# Altium PCB flexi_ethernet_w5500_solo.pcbdoc (part 6 of 7)
Units mm, origin at the board's own origin, x right, y up, seen from the top; angles counter-clockwise.
Board outline 85 x 20.49 mm, 4 copper layers (Top Layer, GND, PWR, Bottom Layer), stack 1.541 mm thick; 61 components, 41 nets, 7605 pads, 85 vias.
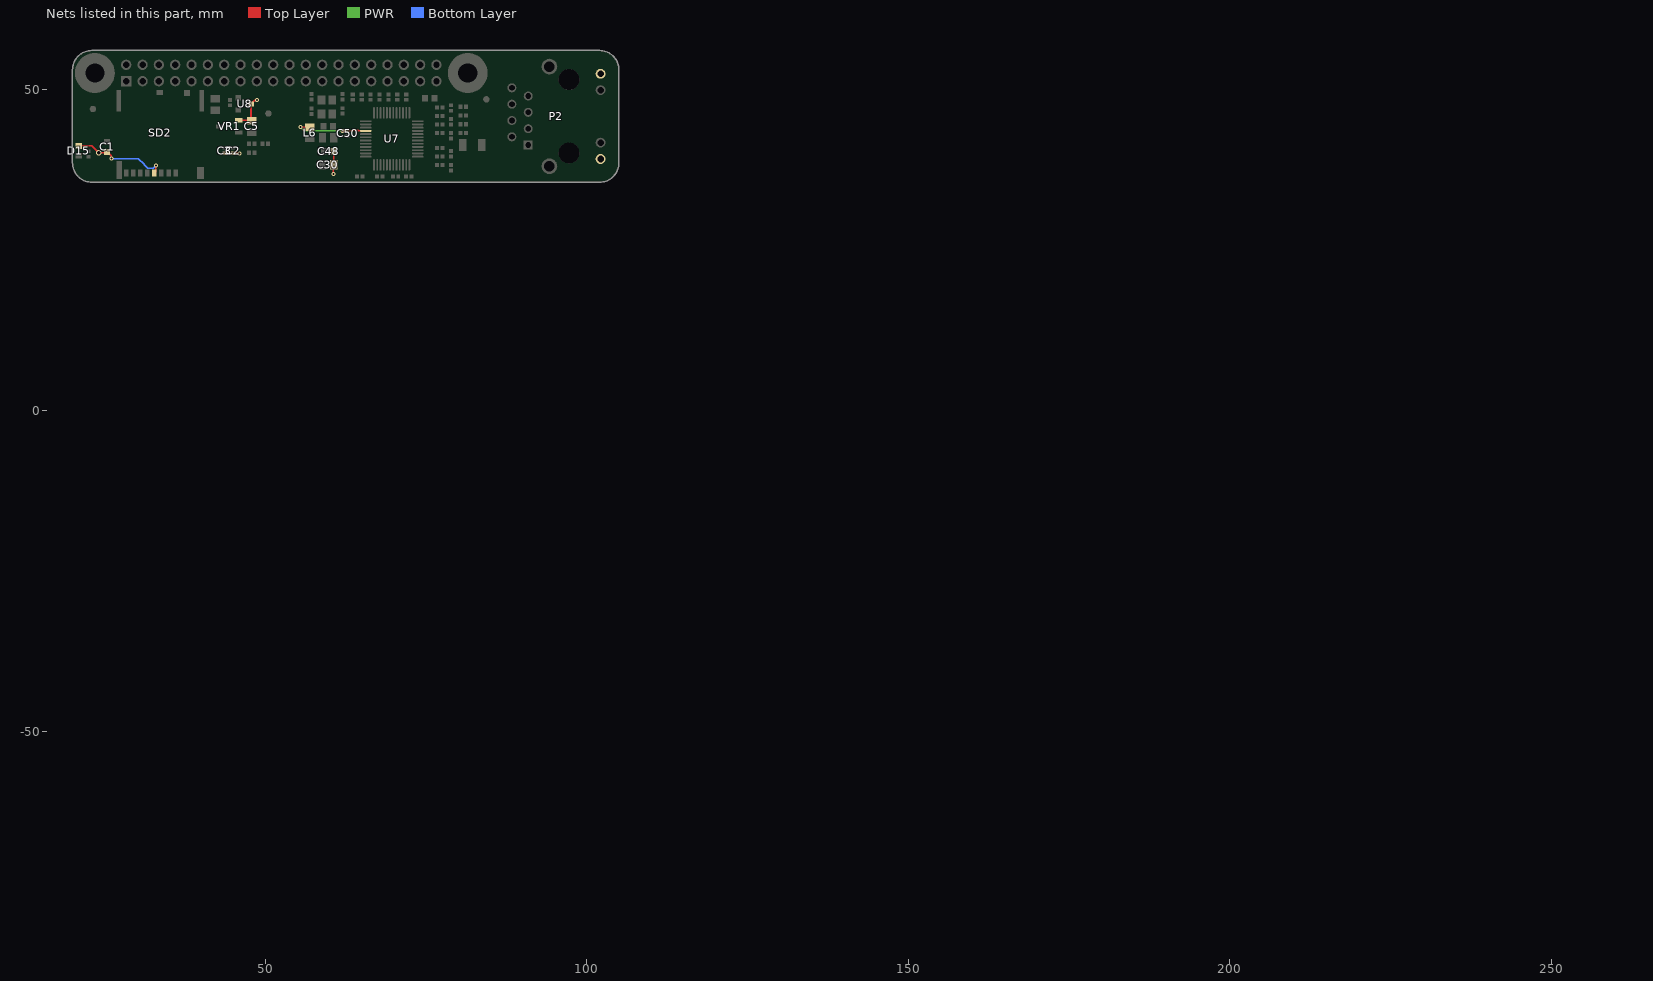
[diagram p8: the nets of this part, all layers, seen from the top]

## Free pads (board coordinates)
  round 6.2 hole 3 unplated: 0(23.511,52.5) 0(81.511,52.5)
  round 0.042 on Mech7: 1(237.911,-77.803) 1(237.911,-77.803) 1(237.922,-77.632) 1(237.922,-77.632) 1(237.934,-77.814) 1(237.934,-77.814) 1(237.945,-77.587) 1(237.945,-77.587) 1(237.968,-77.45) 1(237.968,-77.45) 1(238.001,-77.791) 1(238.001,-77.791) 1(238.024,-77.314) 1(238.024,-77.314) 1(238.036,-77.235) 1(238.036,-77.235) 1(238.081,-77.143) 1(238.081,-77.143) 1(238.093,-77.701) 1(238.093,-77.701) 1(238.093,-77.086) 1(238.093,-77.086) 1(238.104,-77.666) 1(238.104,-77.666) 1(238.126,-77.654) 1(238.126,-77.654) 1(238.138,-77.621) 1(238.138,-77.621) 1(238.172,-77.587) 1(238.172,-77.587) 1(238.172,-76.928) 1(238.172,-76.928) 1(238.183,-77.552) 1(238.183,-77.552) 1(238.206,-76.802) 1(238.206,-76.802) 1(238.218,-77.519) 1(238.218,-77.519) 1(238.24,-76.757) 1(238.24,-76.757) 1(238.252,-76.7) 1(238.252,-76.7) 1(238.263,-77.417) 1(238.263,-77.417) 1(238.285,-77.405) 1(238.285,-77.405) 1(238.285,-76.643) 1(238.285,-76.643) 1(238.297,-77.37) 1(238.297,-77.37) 1(238.297,-76.587) 1(238.297,-76.587) 1(238.32,-77.36) 1(238.32,-77.36) 1(238.32,-72.894) 1(238.32,-72.894) 1(238.331,-77.325) 1(238.331,-77.325) 1(238.331,-72.622) 1(238.331,-72.622) 1(238.354,-73.224) 1(238.354,-73.224) 1(238.354,-72.588) 1(238.354,-72.588) 1(238.365,-77.291) 1(238.365,-77.291) 1(238.365,-76.473) 1(238.365,-76.473) 1(238.377,-77.257) 1(238.377,-77.257) 1(238.377,-76.416) 1(238.377,-76.416) 1(238.377,-73.27) 1(238.377,-73.27) 1(238.388,-73.372) 1(238.388,-73.372) 1(238.388,-72.576) 1(238.388,-72.576) 1(238.399,-72.599) 1(238.399,-72.599) 1(238.41,-77.223) 1(238.41,-77.223) 1(238.422,-73.474) 1(238.422,-73.474) 1(238.422,-72.599) 1(238.422,-72.599) 1(238.445,-76.291) 1(238.445,-76.291) 1(238.456,-77.121) 1(238.456,-77.121) 1(238.456,-76.234) 1(238.456,-76.234) 1(238.479,-73.792) 1(238.479,-73.792) 1(238.479,-72.679) 1(238.479,-72.679) 1(238.49,-77.086) 1(238.49,-77.086) 1(238.502,-77.053) 1(238.502,-77.053) 1(238.502,-72.735) 1(238.502,-72.735) 1(238.513,-72.735) 1(238.513,-72.735) 1(238.536,-77.019) 1(238.536,-77.019) 1(238.536,-73.951) 1(238.536,-73.951) 1(238.547,-76.984) 1(238.547,-76.984) 1(238.547,-72.815) 1(238.547,-72.815) 1(238.559,-72.815) 1(238.559,-72.815) 1(238.569,-76.03) 1(238.569,-76.03) 1(238.569,-72.872) 1(238.569,-72.872) 1(238.581,-76.951) 1(238.581,-76.951) 1(238.581,-75.973) 1(238.581,-75.973) 1(238.581,-72.872) 1(238.581,-72.872) 1(238.592,-76.916) 1(238.592,-76.916) 1(238.592,-74.212) 1(238.592,-74.212) 1(238.604,-72.951) 1(238.604,-72.951) 1(238.616,-72.951) 1(238.616,-72.951) 1(238.626,-76.882) 1(238.626,-76.882) 1(238.638,-76.849) 1(238.638,-76.849) 1(238.649,-73.065) 1(238.649,-73.065) 1(238.661,-73.065) 1(238.661,-73.065) 1(238.672,-73.121) 1(238.672,-73.121) 1(238.683,-73.121) 1(238.683,-73.121) 1(238.706,-76.757) 1(238.706,-76.757) 1(238.718,-76.723) 1(238.718,-76.723) 1(238.718,-75.712) 1(238.718,-75.712) 1(238.718,-73.224) 1(238.718,-73.224) 1(238.729,-73.224) 1(238.729,-73.224) 1(238.74,-74.622) 1(238.74,-74.622) 1(238.74,-73.28) 1(238.74,-73.28) 1(238.751,-74.701) 1(238.751,-74.701) 1(238.751,-73.28) 1(238.751,-73.28) 1(238.763,-73.337) 1(238.763,-73.337) 1(238.774,-76.643) 1(238.774,-76.643) 1(238.774,-75.632) 1(238.774,-75.632) 1(238.774,-73.337) 1(238.774,-73.337) 1(238.786,-74.769) 1(238.786,-74.769) 1(238.786,-73.394) 1(238.786,-73.394) 1(238.797,-76.587) 1(238.797,-76.587) 1(238.797,-75.576) 1(238.797,-75.576) 1(238.797,-74.849) 1(238.797,-74.849) 1(238.797,-73.394) 1(238.797,-73.394) 1(238.82,-76.575) 1(238.82,-76.575) 1(238.82,-73.485) 1(238.82,-73.485) 1(238.831,-76.541) 1(238.831,-76.541) 1(238.831,-73.485) 1(238.831,-73.485) 1(238.843,-73.542) 1(238.843,-73.542) 1(238.853,-73.542) 1(238.853,-73.542) 1(238.865,-76.508) 1(238.865,-76.508) 1(238.865,-75.019) 1(238.865,-75.019) 1(238.865,-73.599) 1(238.865,-73.599) 1(238.876,-76.473) 1(238.876,-76.473) 1(238.876,-75.428) 1(238.876,-75.428) 1(238.876,-75.076) 1(238.876,-75.076) 1(238.876,-73.599) 1(238.876,-73.599) 1(238.888,-73.656) 1(238.888,-73.656) 1(238.9,-73.656) 1(238.9,-73.656) 1(238.91,-73.713) 1(238.91,-73.713) 1(238.922,-76.428) 1(238.922,-76.428) 1(238.922,-75.167) 1(238.922,-75.167) 1(238.922,-73.713) 1(238.922,-73.713) 1(238.933,-76.394) 1(238.933,-76.394) 1(238.933,-75.348) 1(238.933,-75.348) 1(238.933,-75.223) 1(238.933,-75.223) 1(238.933,-73.769) 1(238.933,-73.769) 1(238.945,-73.769) 1(238.945,-73.769) 1(238.956,-75.292) 1(238.956,-75.292) 1(238.967,-76.359) 1(238.967,-76.359) 1(238.967,-75.28) 1(238.967,-75.28) 1(238.967,-73.848) 1(238.967,-73.848) 1(238.979,-76.326) 1(238.979,-76.326) 1(238.979,-73.848) 1(238.979,-73.848) 1(238.99,-73.905) 1(238.99,-73.905) 1(239.002,-73.905) 1(239.002,-73.905) 1(239.013,-76.291) 1(239.013,-76.291) 1(239.024,-73.985) 1(239.024,-73.985) 1(239.035,-76.234) 1(239.035,-76.234) 1(239.035,-73.985) 1(239.035,-73.985) 1(239.058,-76.224) 1(239.058,-76.224) 1(239.07,-76.189) 1(239.07,-76.189) 1(239.081,-74.076) 1(239.081,-74.076) 1(239.115,-76.144) 1(239.115,-76.144) 1(239.127,-76.11) 1(239.127,-76.11) 1(239.127,-74.235) 1(239.127,-74.235) 1(239.137,-74.235) 1(239.137,-74.235) 1(239.149,-76.098) 1(239.149,-76.098) 1(239.149,-74.292) 1(239.149,-74.292) 1(239.161,-76.064) 1(239.161,-76.064) 1(239.161,-74.292) 1(239.161,-74.292) 1(239.184,-76.053) 1(239.184,-76.053) 1(239.194,-76.019) 1(239.194,-76.019) 1(239.217,-76.007) 1(239.217,-76.007) 1(239.229,-75.973) 1(239.229,-75.973) 1(239.263,-75.95) 1(239.263,-75.95) 1(239.286,-74.542) 1(239.286,-74.542) 1(239.297,-74.598) 1(239.297,-74.598) 1(239.308,-74.598) 1(239.308,-74.598) 1(239.331,-74.667) 1(239.331,-74.667) 1(239.365,-76.144) 1(239.365,-76.144) 1(239.399,-74.598) 1(239.399,-74.598) 1(239.411,-74.565) 1(239.411,-74.565) 1(239.456,-74.485) 1(239.456,-74.485) 1(239.49,-74.451) 1(239.49,-74.451) 1(239.501,-74.416) 1(239.501,-74.416) 1(239.524,-76.451) 1(239.524,-76.451) 1(239.535,-76.485) 1(239.535,-76.485) 1(239.547,-74.383) 1(239.547,-74.383) 1(239.558,-74.349) 1(239.558,-74.349) 1(239.581,-74.337) 1(239.581,-74.337) 1(239.592,-76.564) 1(239.592,-76.564) 1(239.592,-74.303) 1(239.592,-74.303) 1(239.603,-76.598) 1(239.603,-76.598) 1(239.638,-76.632) 1(239.638,-76.632) 1(239.649,-76.667) 1(239.649,-76.667) 1(239.66,-74.235) 1(239.66,-74.235) 1(239.672,-74.201) 1(239.672,-74.201) 1(239.683,-76.7) 1(239.683,-76.7) 1(239.695,-76.735) 1(239.695,-76.735) 1(239.706,-75.382) 1(239.706,-75.382) 1(239.717,-76.746) 1(239.717,-76.746) 1(239.717,-75.382) 1(239.717,-75.382) 1(239.717,-74.122) 1(239.717,-74.122) 1(239.729,-76.78) 1(239.729,-76.78) 1(239.74,-75.439) 1(239.74,-75.439) 1(239.752,-75.439) 1(239.752,-75.439) 1(239.762,-75.325) 1(239.762,-75.325) 1(239.762,-74.087) 1(239.762,-74.087) 1(239.774,-75.292) 1(239.774,-75.292) 1(239.774,-74.053) 1(239.774,-74.053) 1(239.785,-76.859) 1(239.785,-76.859) 1(239.785,-75.519) 1(239.785,-75.519) 1(239.797,-76.894) 1(239.797,-76.894) 1(239.797,-75.519) 1(239.797,-75.519) 1(239.819,-75.576) 1(239.819,-75.576) 1(239.819,-75.258) 1(239.819,-75.258) 1(239.831,-76.928) 1(239.831,-76.928) 1(239.831,-75.576) 1(239.831,-75.576) 1(239.831,-75.223) 1(239.831,-75.223) 1(239.842,-76.962) 1(239.842,-76.962) 1(239.854,-75.632) 1(239.854,-75.632) 1(239.865,-75.632) 1(239.865,-75.632) 1(239.876,-76.996) 1(239.876,-76.996) 1(239.876,-75.19) 1(239.876,-75.19) 1(239.887,-77.03) 1(239.887,-77.03) 1(239.887,-75.689) 1(239.887,-75.689) 1(239.887,-75.155) 1(239.887,-75.155) 1(239.887,-73.951) 1(239.887,-73.951) 1(239.899,-75.689) 1(239.899,-75.689) 1(239.899,-73.917) 1(239.899,-73.917) 1(239.911,-77.041) 1(239.911,-77.041) 1(239.922,-77.076) 1(239.922,-77.076) 1(239.922,-75.746) 1(239.922,-75.746) 1(239.933,-75.746) 1(239.933,-75.746) 1(239.944,-77.086) 1(239.944,-77.086) 1(239.944,-75.78) 1(239.944,-75.78) 1(239.944,-75.11) 1(239.944,-75.11) 1(239.944,-73.883) 1(239.944,-73.883) 1(239.956,-77.121) 1(239.956,-77.121) 1(239.956,-75.78) 1(239.956,-75.78) 1(239.956,-75.076) 1(239.956,-75.076) 1(239.956,-73.848) 1(239.956,-73.848) 1(239.967,-75.814) 1(239.967,-75.814) 1(239.979,-77.133) 1(239.979,-77.133) 1(239.979,-75.814) 1(239.979,-75.814) 1(239.99,-77.166) 1(239.99,-77.166) 1(239.99,-75.848) 1(239.99,-75.848) 1(240.001,-75.848) 1(240.001,-75.848) 1(240.001,-73.815) 1(240.001,-73.815) 1(240.013,-75.883) 1(240.013,-75.883) 1(240.013,-73.781) 1(240.013,-73.781) 1(240.024,-77.189) 1(240.024,-77.189) 1(240.024,-75.883) 1(240.024,-75.883) 1(240.036,-77.223) 1(240.036,-77.223) 1(240.036,-75.917) 1(240.036,-75.917) 1(240.046,-75.917) 1(240.046,-75.917) 1(240.069,-73.735) 1(240.069,-73.735) 1(240.081,-77.257) 1(240.081,-77.257) 1(240.081,-73.701) 1(240.081,-73.701) 1(240.093,-77.291) 1(240.093,-77.291) 1(240.093,-75.996) 1(240.093,-75.996) 1(240.103,-75.996) 1(240.103,-75.996) 1(240.126,-76.042) 1(240.126,-76.042) 1(240.138,-77.325) 1(240.138,-77.325) 1(240.138,-76.042) 1(240.138,-76.042) 1(240.149,-77.36) 1(240.149,-77.36) 1(240.149,-76.075) 1(240.149,-76.075) 1(240.16,-76.075) 1(240.16,-76.075) 1(240.183,-76.121) 1(240.183,-76.121) 1(240.195,-77.394) 1(240.195,-77.394) 1(240.195,-76.121) 1(240.195,-76.121) 1(240.206,-77.427) 1(240.206,-77.427) 1(240.206,-76.155) 1(240.206,-76.155) 1(240.217,-76.155) 1(240.217,-76.155) 1(240.24,-76.201) 1(240.24,-76.201) 1(240.251,-77.462) 1(240.251,-77.462) 1(240.251,-76.201) 1(240.251,-76.201) 1(240.263,-77.496) 1(240.263,-77.496) 1(240.263,-76.234) 1(240.263,-76.234) 1(240.263,-74.78) 1(240.263,-74.78) 1(240.274,-76.234) 1(240.274,-76.234) 1(240.274,-74.747) 1(240.274,-74.747) 1(240.297,-76.28) 1(240.297,-76.28) 1(240.308,-76.28) 1(240.308,-76.28) 1(240.32,-76.314) 1(240.32,-76.314) 1(240.33,-76.314) 1(240.33,-76.314) 1(240.33,-74.69) 1(240.33,-74.69) 1(240.354,-76.359) 1(240.354,-76.359) 1(240.365,-76.359) 1(240.365,-76.359) 1(240.365,-74.678) 1(240.365,-74.678) 1(240.399,-76.394) 1(240.399,-76.394) 1(240.399,-74.633) 1(240.399,-74.633) 1(240.41,-76.428) 1(240.41,-76.428) 1(240.422,-76.428) 1(240.422,-76.428) 1(240.433,-74.622) 1(240.433,-74.622) 1(240.467,-76.473) 1(240.467,-76.473) 1(240.467,-73.315) 1(240.467,-73.315) 1(240.479,-76.508) 1(240.479,-76.508) 1(240.49,-76.508) 1(240.49,-76.508) 1(240.501,-73.303) 1(240.501,-73.303) 1(240.547,-74.496) 1(240.547,-74.496) 1(240.581,-74.485) 1(240.581,-74.485) 1(240.604,-76.621) 1(240.604,-76.621) 1(240.604,-73.19) 1(240.604,-73.19) 1(240.614,-76.655) 1(240.614,-76.655) 1(240.614,-74.44) 1(240.614,-74.44) 1(240.626,-76.655) 1(240.626,-76.655) 1(240.638,-73.178) 1(240.638,-73.178) 1(240.649,-74.428) 1(240.649,-74.428) 1(240.683,-77.916) 1(240.683,-77.916) 1(240.683,-73.133) 1(240.683,-73.133) 1(240.694,-74.371) 1(240.694,-74.371) 1(240.717,-77.928) 1(240.717,-77.928) 1(240.717,-73.121) 1(240.717,-73.121) 1(240.728,-74.36) 1(240.728,-74.36) 1(240.751,-77.973) 1(240.751,-77.973) 1(240.751,-73.076) 1(240.751,-73.076) 1(240.785,-77.985) 1(240.785,-77.985) 1(240.785,-73.065) 1(240.785,-73.065) 1(240.796,-74.292) 1(240.796,-74.292) 1(240.831,-78.041) 1(240.831,-78.041) 1(240.831,-74.281) 1(240.831,-74.281) 1(240.831,-73.008) 1(240.831,-73.008) 1(240.842,-74.258) 1(240.842,-74.258) 1(240.865,-78.052) 1(240.865,-78.052) 1(240.865,-72.996) 1(240.865,-72.996) 1(240.876,-74.246) 1(240.876,-74.246) 1(240.898,-78.098) 1(240.898,-78.098) 1(240.898,-72.951) 1(240.898,-72.951) 1(240.922,-76.962) 1(240.922,-76.962) 1(240.933,-78.109) 1(240.933,-78.109) 1(240.933,-72.939) 1(240.933,-72.939) 1(240.945,-76.962) 1(240.945,-76.962) 1(240.945,-74.179) 1(240.945,-74.179) 1(240.955,-78.144) 1(240.955,-78.144) 1(240.978,-74.167) 1(240.978,-74.167) 1(240.978,-72.894) 1(240.978,-72.894) 1(240.99,-78.155) 1(240.99,-78.155) 1(240.99,-77.019) 1(240.99,-77.019) 1(241.001,-78.177) 1(241.001,-78.177) 1(241.012,-77.019) 1(241.012,-77.019) 1(241.012,-72.883) 1(241.012,-72.883) 1(241.024,-74.122) 1(241.024,-74.122) 1(241.035,-78.189) 1(241.035,-78.189) 1(241.047,-78.212) 1(241.047,-78.212) 1(241.058,-74.11) 1(241.058,-74.11) 1(241.058,-72.837) 1(241.058,-72.837) 1(241.069,-77.086) 1(241.069,-77.086) 1(241.08,-78.223) 1(241.08,-78.223) 1(241.092,-77.086) 1(241.092,-77.086) 1(241.092,-72.826) 1(241.092,-72.826) 1(241.104,-74.065) 1(241.104,-74.065) 1(241.115,-78.257) 1(241.115,-78.257) 1(241.137,-77.143) 1(241.137,-77.143) 1(241.137,-74.053) 1(241.137,-74.053) 1(241.137,-72.781) 1(241.137,-72.781) 1(241.149,-78.269) 1(241.149,-78.269) 1(241.16,-77.143) 1(241.16,-77.143) 1(241.182,-78.302) 1(241.182,-78.302) 1(241.182,-77.178) 1(241.182,-77.178) 1(241.182,-74.008) 1(241.182,-74.008) 1(241.206,-77.178) 1(241.206,-77.178) 1(241.217,-77.2) 1(241.217,-77.2) 1(241.217,-73.997) 1(241.217,-73.997) 1(241.229,-73.974) 1(241.229,-73.974) 1(241.239,-78.326) 1(241.239,-78.326) 1(241.239,-77.2) 1(241.239,-77.2) 1(241.262,-77.235) 1(241.262,-77.235) 1(241.262,-72.724) 1(241.262,-72.724) 1(241.274,-78.359) 1(241.274,-78.359) 1(241.285,-77.235) 1(241.285,-77.235) 1(241.296,-77.257) 1(241.296,-77.257) 1(241.308,-78.371) 1(241.308,-78.371) 1(241.308,-73.94) 1(241.308,-73.94) 1(241.308,-72.679) 1(241.308,-72.679) 1(241.319,-77.257) 1(241.319,-77.257) 1(241.342,-78.405) 1(241.342,-78.405) 1(241.342,-77.291) 1(241.342,-77.291) 1(241.342,-73.905) 1(241.342,-73.905) 1(241.364,-77.291) 1(241.364,-77.291) 1(241.376,-78.416) 1(241.376,-78.416) 1(241.376,-77.314) 1(241.376,-77.314) 1(241.376,-73.895) 1(241.376,-73.895) 1(241.388,-73.871) 1(241.388,-73.871) 1(241.388,-72.645) 1(241.388,-72.645) 1(241.399,-77.314) 1(241.399,-77.314) 1(241.421,-77.348) 1(241.421,-77.348) 1(241.444,-77.348) 1(241.444,-77.348) 1(241.456,-78.473) 1(241.456,-78.473) 1(241.456,-77.37) 1(241.456,-77.37) 1(241.467,-73.826) 1(241.467,-73.826) 1(241.478,-77.37) 1(241.478,-77.37) 1(241.478,-72.588) 1(241.478,-72.588) 1(241.49,-78.484) 1(241.49,-78.484) 1(241.49,-77.394) 1(241.49,-77.394) 1(241.513,-77.394) 1(241.513,-77.394) 1(241.523,-77.417) 1(241.523,-77.417) 1(241.523,-73.803) 1(241.523,-73.803) 1(241.546,-77.417) 1(241.546,-77.417) 1(241.558,-77.439) 1(241.558,-77.439) 1(241.558,-73.769) 1(241.558,-73.769) 1(241.558,-72.542) 1(241.558,-72.542) 1(241.569,-78.541) 1(241.569,-78.541) 1(241.58,-77.439) 1(241.58,-77.439) 1(241.592,-77.462) 1(241.592,-77.462) 1(241.615,-77.462) 1(241.615,-77.462) 1(241.637,-73.724) 1(241.637,-73.724) 1(241.648,-77.496) 1(241.648,-77.496) 1(241.672,-77.496) 1(241.672,-77.496) 1(241.717,-73.678) 1(241.717,-73.678) 1(241.774,-73.667) 1(241.774,-73.667) 1(241.785,-78.655) 1(241.785,-78.655) 1(241.842,-78.666) 1(241.842,-78.666) 1(241.864,-78.689) 1(241.864,-78.689) 1(241.921,-78.7) 1(241.921,-78.7) 1(241.921,-72.349) 1(241.921,-72.349) 1(241.967,-78.734) 1(241.967,-78.734) 1(241.978,-73.554) 1(241.978,-73.554) 1(242.024,-78.745) 1(242.024,-78.745) 1(242.035,-73.542) 1(242.035,-73.542) 1(242.046,-72.315) 1(242.046,-72.315) 1(242.058,-77.701) 1(242.058,-77.701) 1(242.058,-73.519) 1(242.058,-73.519) 1(242.091,-77.701) 1(242.091,-77.701) 1(242.103,-78.791) 1(242.103,-78.791) 1(242.114,-72.269) 1(242.114,-72.269) 1(242.138,-77.734) 1(242.138,-77.734) 1(242.148,-73.497) 1(242.148,-73.497) 1(242.171,-77.734) 1(242.171,-77.734) 1(242.194,-77.757) 1(242.194,-77.757) 1(242.228,-77.757) 1(242.228,-77.757) 1(242.24,-73.451) 1(242.24,-73.451) 1(242.285,-77.791) 1(242.285,-77.791) 1(242.296,-78.859) 1(242.296,-78.859) 1(242.308,-72.213) 1(242.308,-72.213) 1(242.319,-77.791) 1(242.319,-77.791) 1(242.41,-77.836) 1(242.41,-77.836) 1(242.432,-73.394) 1(242.432,-73.394) 1(242.444,-77.836) 1(242.444,-77.836) 1(242.489,-78.927) 1(242.489,-78.927) 1(242.512,-77.871) 1(242.512,-77.871) 1(242.512,-72.134) 1(242.512,-72.134) 1(242.524,-73.349) 1(242.524,-73.349) 1(242.557,-77.871) 1(242.557,-77.871) 1(242.58,-77.893) 1(242.58,-77.893) 1(242.614,-77.893) 1(242.614,-77.893) 1(242.614,-72.122) 1(242.614,-72.122) 1(242.637,-73.326) 1(242.637,-73.326) 1(242.694,-77.916) 1(242.694,-77.916) 1(242.706,-73.292) 1(242.706,-73.292) 1(242.716,-72.077) 1(242.716,-72.077) 1(242.796,-77.95) 1(242.796,-77.95) 1(242.808,-79.007) 1(242.808,-79.007) 1(242.853,-77.95) 1(242.853,-77.95) 1(242.887,-77.973) 1(242.887,-77.973) 1(242.887,-73.247) 1(242.887,-73.247) 1(242.91,-79.018) 1(242.91,-79.018) 1(242.933,-72.042) 1(242.933,-72.042) 1(242.944,-77.973) 1(242.944,-77.973) 1(242.99,-77.995) 1(242.99,-77.995) 1(242.99,-73.235) 1(242.99,-73.235) 1(243.057,-77.995) 1(243.057,-77.995) 1(243.092,-73.201) 1(243.092,-73.201) 1(243.103,-78.018) 1(243.103,-78.018) 1(243.125,-79.075) 1(243.125,-79.075) 1(243.149,-71.985) 1(243.149,-71.985) 1(243.16,-78.018) 1(243.16,-78.018) 1(243.205,-78.041) 1(243.205,-78.041) 1(243.239,-73.19) 1(243.239,-73.19) 1(243.262,-78.041) 1(243.262,-78.041) 1(243.296,-73.167) 1(243.296,-73.167) 1(243.307,-78.064) 1(243.307,-78.064) 1(243.364,-78.064) 1(243.364,-78.064) 1(243.433,-71.952) 1(243.433,-71.952) 1(243.444,-73.156) 1(243.444,-73.156) 1(243.466,-78.087) 1(243.466,-78.087) 1(243.489,-71.928) 1(243.489,-71.928) 1(243.501,-73.133) 1(243.501,-73.133) 1(243.58,-78.087) 1(243.58,-78.087) 1(243.648,-73.11) 1(243.648,-73.11) 1(243.682,-78.109) 1(243.682,-78.109) 1(243.694,-79.155) 1(243.694,-79.155) 1(243.796,-78.109) 1(243.796,-78.109) 1(243.842,-71.895) 1(243.842,-71.895) 1(243.966,-73.088) 1(243.966,-73.088) 1(244.023,-78.144) 1(244.023,-78.144) 1(244.08,-71.883) 1(244.08,-71.883) 1(244.25,-78.144) 1(244.25,-78.144) 1(244.307,-79.188) 1(244.307,-79.188) 1(244.512,-73.076) 1(244.512,-73.076) 1(244.818,-71.895) 1(244.818,-71.895) 1(244.864,-73.099) 1(244.864,-73.099) 1(244.943,-71.895) 1(244.943,-71.895) 1(245.092,-73.133) 1(245.092,-73.133) 1(245.148,-78.155) 1(245.148,-78.155) 1(245.307,-73.145) 1(245.307,-73.145) 1(245.329,-71.94) 1(245.329,-71.94) 1(245.352,-79.178) 1(245.352,-79.178) 1(245.398,-73.167) 1(245.398,-73.167) 1(245.466,-71.94) 1(245.466,-71.94) 1(245.546,-73.178) 1(245.546,-73.178) 1(245.67,-73.213) 1(245.67,-73.213) 1(245.773,-78.109) 1(245.773,-78.109) 1(245.784,-71.985) 1(245.784,-71.985) 1(245.852,-73.235) 1(245.852,-73.235) 1(245.887,-78.087) 1(245.887,-78.087) 1(245.989,-72.031) 1(245.989,-72.031) 1(246.114,-73.303) 1(246.114,-73.303) 1(246.125,-78.075) 1(246.125,-78.075) 1(246.125,-72.031) 1(246.125,-72.031) 1(246.171,-79.109) 1(246.171,-79.109) 1(246.193,-73.315) 1(246.193,-73.315) 1(246.228,-73.337) 1(246.228,-73.337) 1(246.261,-72.077) 1(246.261,-72.077) 1(246.33,-72.077) 1(246.33,-72.077) 1(246.42,-73.372) 1(246.42,-73.372) 1(246.455,-73.394) 1(246.455,-73.394) 1(246.534,-72.134) 1(246.534,-72.134) 1(246.569,-73.417) 1(246.569,-73.417) 1(246.602,-72.134) 1(246.602,-72.134) 1(246.625,-73.451) 1(246.625,-73.451) 1(246.75,-73.474) 1(246.75,-73.474) 1(246.818,-79.029) 1(246.818,-79.029) 1(246.966,-78.996) 1(246.966,-78.996) 1(246.988,-73.564) 1(246.988,-73.564) 1(247.023,-77.95) 1(247.023,-77.95) 1(247.08,-77.928) 1(247.08,-77.928) 1(247.114,-78.984) 1(247.114,-78.984) 1(247.182,-73.621) 1(247.182,-73.621) 1(247.204,-77.916) 1(247.204,-77.916) 1(247.239,-73.656) 1(247.239,-73.656) 1(247.25,-72.292) 1(247.25,-72.292) 1(247.398,-78.927) 1(247.398,-78.927) 1(247.398,-73.701) 1(247.398,-73.701) 1(247.454,-72.371) 1(247.454,-72.371) 1(247.477,-73.746) 1(247.477,-73.746) 1(247.488,-77.86) 1(247.488,-77.86) 1(247.5,-72.371) 1(247.5,-72.371) 1(247.545,-78.916) 1(247.545,-78.916) 1(247.67,-77.848) 1(247.67,-77.848) 1(247.682,-78.882) 1(247.682,-78.882) 1(247.738,-73.826) 1(247.738,-73.826) 1(247.772,-77.814) 1(247.772,-77.814) 1(247.807,-78.87) 1(247.807,-78.87) 1(247.818,-73.871) 1(247.818,-73.871) 1(247.864,-78.847) 1(247.864,-78.847) 1(247.875,-73.883) 1(247.875,-73.883) 1(247.875,-72.497) 1(247.875,-72.497) 1(247.92,-77.803) 1(247.92,-77.803) 1(247.92,-72.497) 1(247.92,-72.497) 1(247.932,-73.917) 1(247.932,-73.917) 1(247.966,-72.531) 1(247.966,-72.531) 1(247.999,-72.531) 1(247.999,-72.531) 1(248.022,-72.553) 1(248.022,-72.553) 1(248.056,-77.768) 1(248.056,-77.768) 1(248.056,-72.553) 1(248.056,-72.553) 1(248.124,-73.974) 1(248.124,-73.974) 1(248.159,-72.599) 1(248.159,-72.599) 1(248.181,-74.008) 1(248.181,-74.008) 1(248.204,-77.757) 1(248.204,-77.757) 1(248.204,-72.599) 1(248.204,-72.599) 1(248.238,-74.019) 1(248.238,-74.019) 1(248.25,-72.633) 1(248.25,-72.633) 1(248.261,-74.042) 